# Altium PCB HallFM2_1.PcbDoc (part 2 of 3)
Units mm, origin at the board's own origin, x right, y up, seen from the top; angles counter-clockwise.
Board outline 114 x 97 mm, 4 copper layers (Top Layer, Signal Layer 1, Signal Layer 2, Bottom Layer), stack 0.971 mm thick; 267 components, 203 nets, 952 pads, 270 vias.
Unrouted connection lines stored in the file: 252.
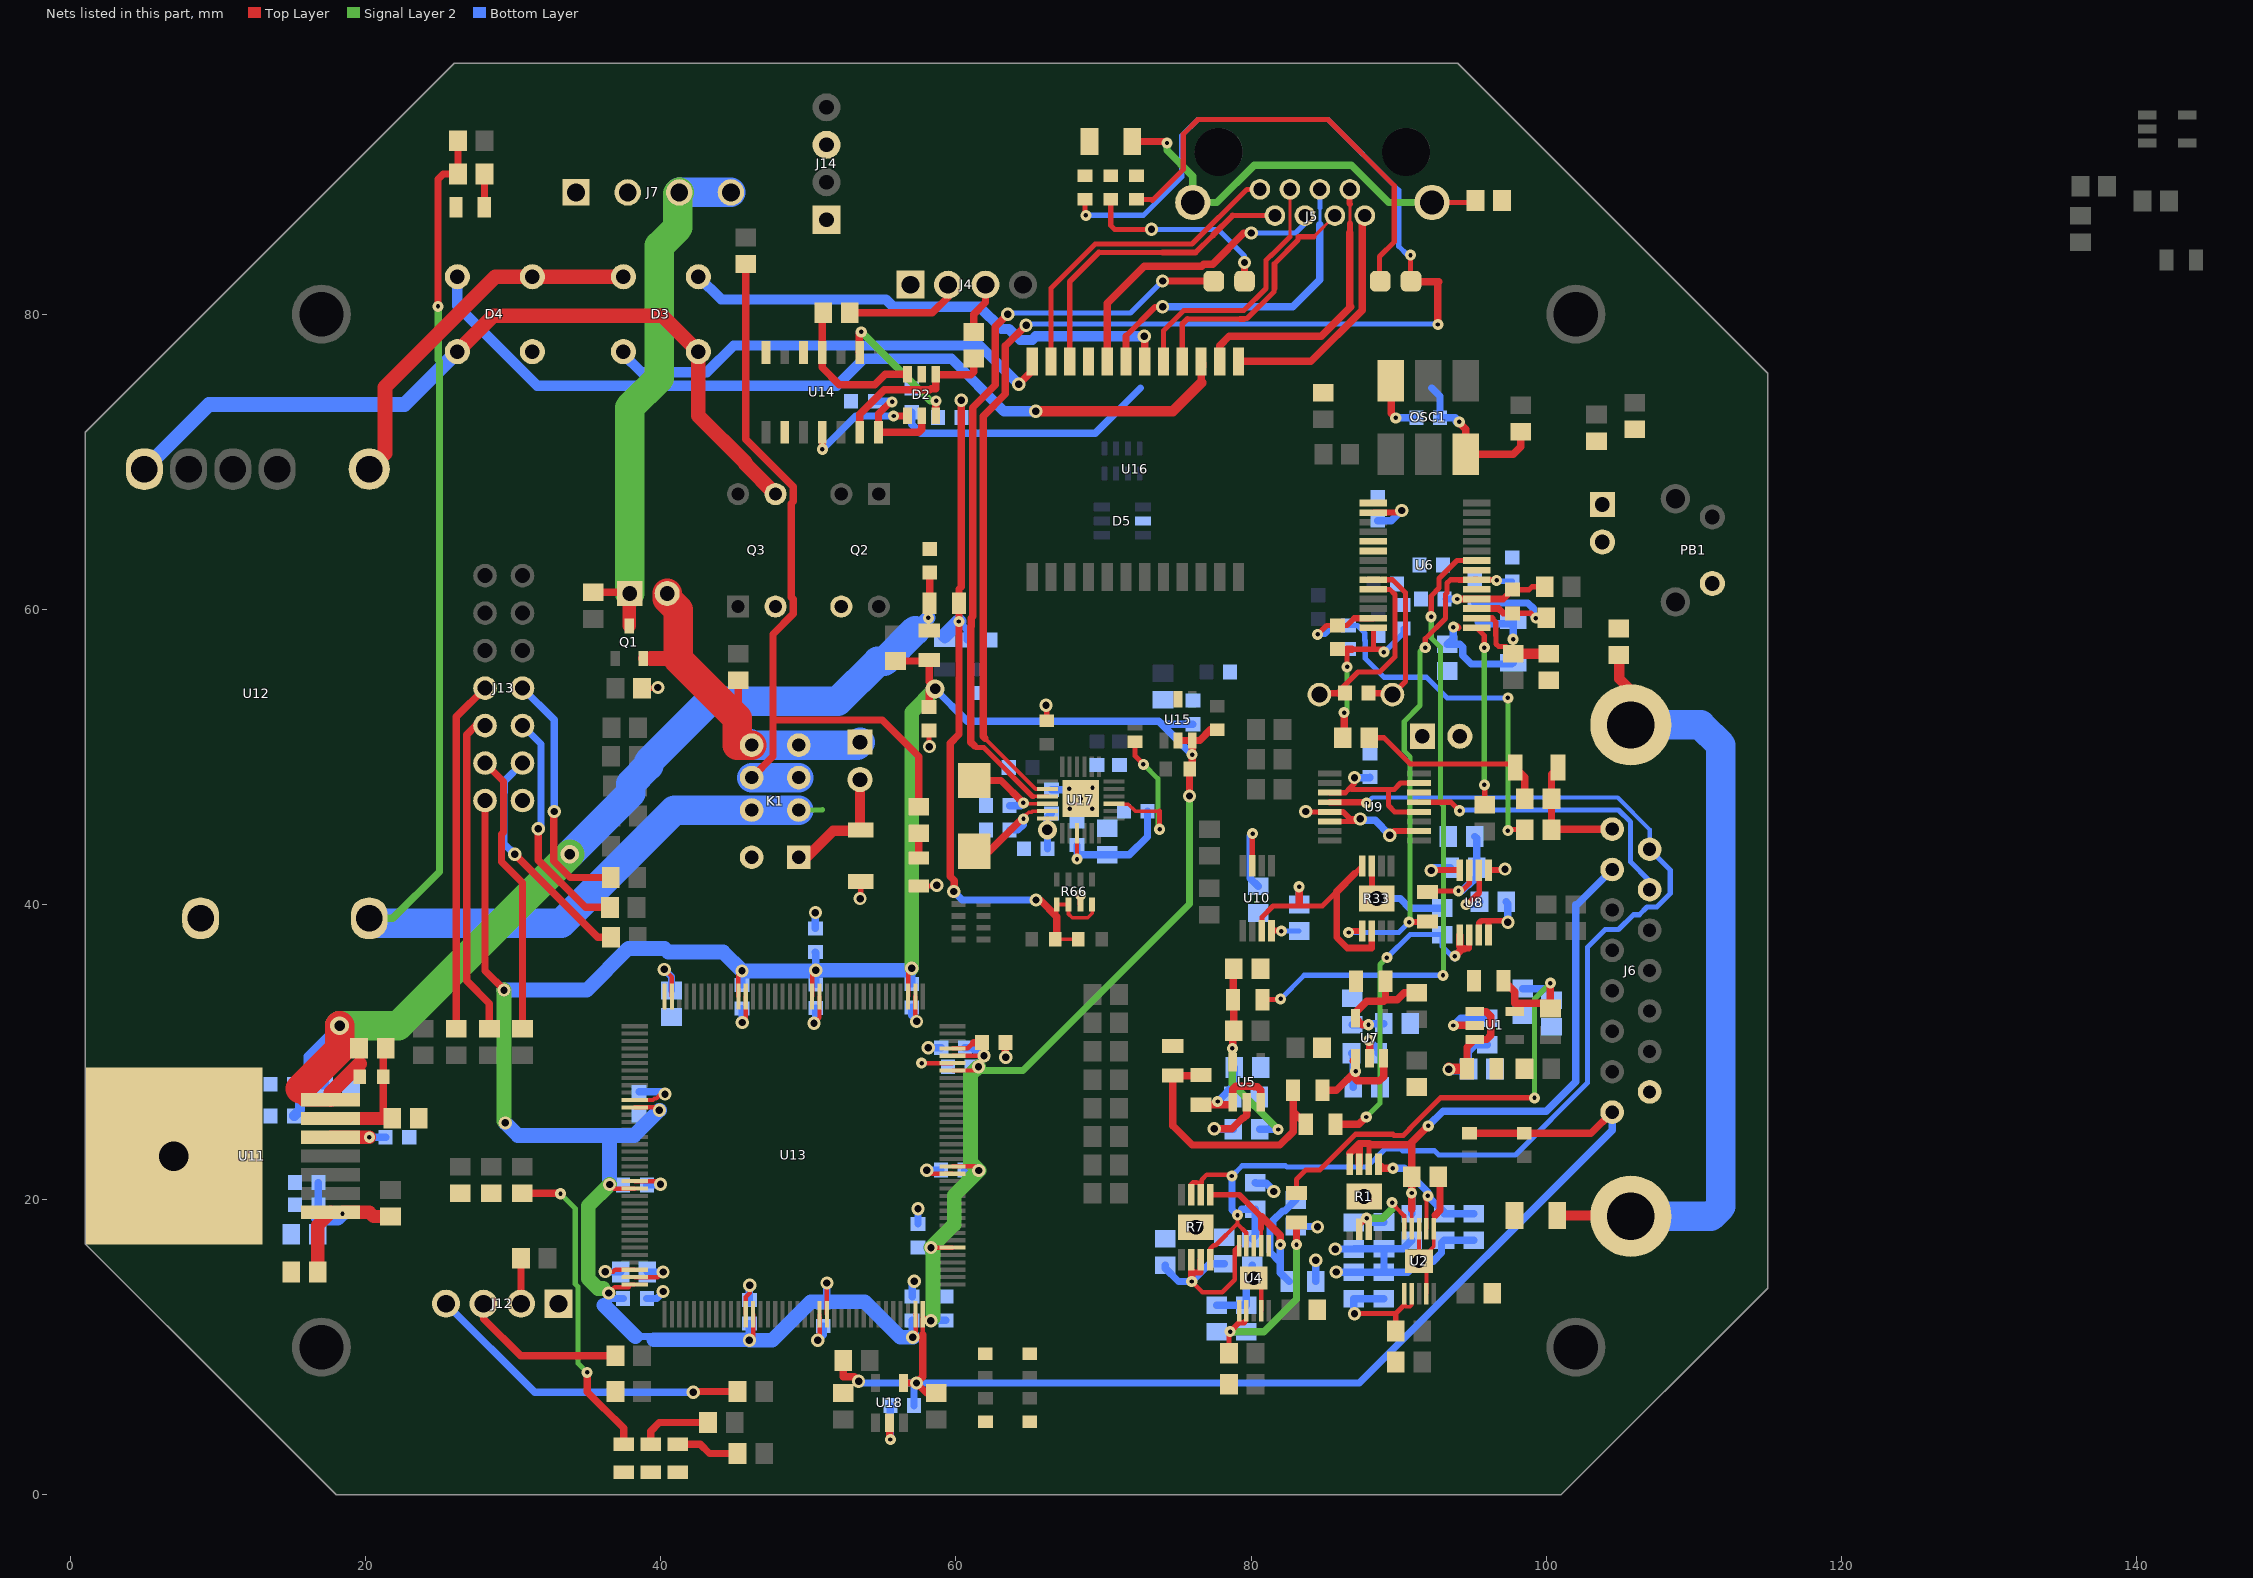
[diagram p3: the nets of this part, all layers, seen from the top]

## Via types
v1: diameter 0.75, hole 0.3, Top Layer to Bottom Layer, 182 vias
v2: diameter 0.9, hole 0.5, Top Layer to Bottom Layer, 84 vias
v3: diameter 1.27, hole 0.711, Top Layer to Bottom Layer, 4 vias

## Nets (pads, with @x,y where several pads share a name; then routed paths per layer and width w, separated by ;. In a path a pad name is that pad's centre, name@x,y a point inside that pad or via, vN(x,y) a via of type N, cw(c..) or ccw(c..) an arc to the next point about the centre after c; other vN are vias at no path point) (continued)
2+: C38.2 C49.2 R25.2 U6.18 | length 7
  Top Layer w0.35: C38.2@97.705,61.33 98.83,61.33 99.03,61.53 R25.2@99.905,61.53
  Top Layer w0.45: v1(93.954,60.703) 94.047,60.703 94.05,60.7 94.055,60.705 U6.18@95.28,60.705 97.08,60.705 C38.2@97.705,61.33
  Bottom Layer w0.5: C49.2@93.225,60.7 93.951,60.7 v1(93.954,60.703)
2-: C38.1 C50.2 R28.2 U6.17 | length 9.1
  Top Layer w0.35: C38.1@97.705,59.73 98.97,59.73 v1(99.3,59.4)
  Top Layer w0.45: U6.17@95.28,60.055 96.77,60.055 97.095,59.73 C38.1@97.705,59.73
  Bottom Layer w0.5: C50.2@95.155,60.43 98.741,60.43 99.105,60.066 99.105,59.595 v1(99.3,59.4)
2V5ref: C31.2 L11.2 R33.1 U6.20 | length 35.6
  Top Layer w0.35: v1(91.8,57.4) 91.8,58.004 93.179,59.383 93.179,61.024 93.278,61.122 93.278,61.778 93.5,62 94.1,62
  Top Layer w0.4: v1(86.6,38.1) 86.6,38.2 86.605,38.205 R33.1@87.53,38.205 ; v1(90.7,38.8) 91.8,38.8 L11.2@91.85,38.85 ; 94.1,62 95.07,62 95.1,62.03 95.255,62.03 U6.20@95.28,62.005 96.593,62.005 v1(96.63,61.968)
  Signal Layer 2 w0.35: v1(90.7,38.8) 90.775,38.875 90.775,49.995 90.375,50.395 90.375,50.748 90.369,50.754 90.369,52.4 91.45,53.48 91.45,57.15 91.7,57.4 v1(91.8,57.4)
  Bottom Layer w0.35: v1(86.6,38.1) 90,38.1 v1(90.7,38.8) ; v1(96.63,61.968) 96.698,61.9 C31.2@97.7,61.9
3+: C40.2 C51.2 R29.2 U6.13 | length 30.6
  Top Layer w0.35: v1(84.5,58.3) 85.1,58.9 C40.2@85.85,58.9 86.5,58.9 87.005,59.405 ; v1(97.4,45) 97.475,45.075 R29.2@98.55,45.075
  Top Layer w0.45: 87.005,59.405 U6.13@88.28,59.405
  Signal Layer 2 w0.35: v1(97.4,45) v1(97.4,54)
  Bottom Layer w0.355: v1(84.5,58.3) 85.009,58.3 85.433,58.724 85.433,58.733 85.6,58.9 C51.2@86.6,58.9 87.2,58.9 87.7,58.4 87.7,57.9 87.728,57.872 87.728,56.672 88.997,55.403 91.889,55.403 93.291,54 v1(97.4,54)
3-: C40.1 C52.2 R30.2 U6.14 | length 12.5
  Top Layer w0.35: v1(86.5,56.1) 86.5,57.3 ; 86.825,57.3 88.3,57.3 ; U6.14@88.25,58.725 88.25,58.755 U6.14@88.28,58.755 88.28,57.32 88.3,57.3 ; v1(89,57.1) 89,57.3 88.3,57.3
  Top Layer w0.5: R30.2@86.2,51.3 86.3,51.4 v1(86.3,53) ; 86.5,57.3 86.825,57.3
  Signal Layer 2 w0.35: v1(86.3,53) 86.5,53.2 v1(86.5,56.1)
  Bottom Layer w0.35: v1(89,57.1) 89.03,57.1 90.3,58.37 C52.2@90.3,58.7
"3V3 Ethernet": C74.2 C76.2 L13.2 L14.2 R64.1 R65.1 R66.5 R66.6 R66.8 | length 54
  Top Layer w0.25: R64.1@66.725,37.65 R65.1@68.275,37.65 ; 66.825,39.175 R66.5@66.825,40 R66.6@67.625,40 67.625,39.35 67.875,39.1 68.925,39.1 69.225,39.4 R66.8@69.225,40
  Top Layer w0.5: v2(59.852,40.877) 59.852,40.698 59.875,40.675 59.875,41.625 59.6,41.9 59.6,50.925 60.2,51.525 v1(60.2,59.175) L13.2@60.2,60.425 60.2,61.375 60.35,61.525 v2(60.35,74.175) ; v2(65.425,40.3) 65.7,40.3 66.825,39.175 66.825,37.75 R64.1@66.725,37.65
  Bottom Layer w0.5: L14.2@59.25,57.925 L14.2@59.25,58.225 ; v2(59.852,40.877) 60.429,40.3 v2(65.425,40.3) ; v1(60.2,59.175) 60.75,58.625 C76.2@60.75,57.925 ; v2(60.35,74.175) 60.4,74.125 60.4,73.975 60.37,73.945 C74.2@60.37,73.005
  Bottom Layer w1: L14.2@59.25,58.225 v1(60.2,59.175)
3V3D_ADC: C26.1 L8.2 U6.1
3V3uC: C67.2 C68.2 C69.2 C72.2 C73.2 C89.2 C90.2 C91.2 C92.2 C93.2 C94.2 C95.2 C96.2 C97.2 C98.2 C99.2 C100.2 C101.2 C102.2 C103.2 C104.2 C105.1 D2.5 J6.8 J13.2 L12.2 OSC1.6 R11.2 R51.2 R56.1 R59.1 R60.1 R61.1 R62.1 R70.2 R71.2 R73.2 R98.2 R99.2 U13.6 U13.17 U13.30 U13.32 U13.33 U13.39 U13.52 U13.62 U13.72 U13.84 U13.95 U13.108 U13.121 U13.131 U13.143 U13.144 U14.14 U15.5 U15.6 U18.4 | length 355.6
  Top Layer w0.3: v2(36.475,13.675) 36.875,14.075 37.825,14.075 37.875,14.125 37.875,14.25 U13.108@38.23,14.25 ; v2(36.525,21.025) 36.8,20.75 U13.95@38.23,20.75 ; U13.84@38.23,26.25 39.703,26.25 v2(39.902,26.051) ; U13.62@45.25,33.77 45.25,35.25 v2(45.5,35.5) ; v2(46,10.475) 46.25,10.725 U13.121@46.25,12.23 ; U13.52@50.25,33.77 50.25,35.3 v2(50.5,35.55) ; U13.131@51.25,12.23 51.253,12.233 v2(51.253,14.351) ; U13.39@56.75,33.77 56.75,35.425 v2(57,35.675) ; v2(57.078,10.676) 57.275,10.873 57.275,12.205 U13.143@57.25,12.23 ; 57.75,10.85 57.75,11.975 58.125,11.975 v2(58.3,11.8) ; v2(58.303,16.751) U13.6@59.77,16.75 ; U13.17@59.77,22.25 61.275,22.25 v2(61.55,21.975) ; U13.30@59.77,28.75 61.275,28.75 v2(61.525,29) ; U13.32@59.77,29.75 v2(61.9,29.75) 61.9,30.45 C93.2@61.725,30.625 ; U13.33@59.77,30.25 60.793,30.25 61.168,30.625 61.2,30.625
  Top Layer w0.5: J13.2@28.085,47.045 28.085,35.515 29.45,34.15 29.425,34.15 v2(29.375,34.2) ; R11.2@52.355,9.1 52.355,8 53.1,8 v2(53.4,7.7) ; v1(55.676,74.053) 55.56,74.053 54.75,73.243 U14.14@54.75,72 57.475,72 57.675,72.2 D2.5@57.675,73.125 ; R51.2@55.9,56.5 L12.2@58.15,56.5 ; U18.4@56.45,7.575 v2(57.325,7.575) ; 57.75,10.85 57.75,8 v2(57.325,7.575) ; C72.2@58.175,53.375 v3@58.175,54.602 ; 58.175,55.1 58.175,56.475 L12.2@58.15,56.5 ; L12.2@58.175,56.575 58.125,56.525 L12.2@58.15,56.5 ; R70.2@58.655,6.9 58,6.9 v2(57.325,7.575) ; 61.2,30.625 C93.2@61.725,30.625 ; U15.5@75.055,51.113 U15.6@76.005,51.113 ; v2(75.825,47.35) R62.1@75.825,49.175 76.005,49.355 v1(76.005,50.15) U15.6@76.005,51.113 ; R61.1@77.705,51.838 77.238,51.838 76.513,51.113 U15.6@76.005,51.113 ; v1(94.1,72.7) 94.1,72.65 94.54,72.21 OSC1.6@94.54,70.5 97.75,70.5 98.275,71.025 R56.1@98.275,72.025 ; R60.1@94.8,24.5 R59.1@98.5,24.5 99.4,24.5 103.03,24.5 J6.8@104.46,25.93
  Signal Layer 2 w0.5: v2@29.375,25.325 29.475,25.225 v2(29.45,25.2) ; v2(58.3,11.8) v2@58.45,11.95 ; v2@61.55,28.975 61.775,28.75 64.543,28.75 75.825,40.032 v2(75.825,47.35)
  Signal Layer 2 w1: v2@29.375,25.325 v2(29.375,34.2) ; 36.102,13.975 35.749,13.975 35.075,14.649 35.075,19.575 v2(36.525,21.025) ; v2(57,35.675) 57,53.025 v3(58.577,54.602) ; v2@58.45,11.95 58.45,16.604 v2(58.303,16.751) 59.875,18.323 59.875,20.3 v2(61.55,21.975) 60.975,22.55 60.975,28.45 v2(61.525,29)
  Bottom Layer w0.5: 36.15,12.85 36.6,13.3 C91.2@37.45,13.3 ; 38.275,10.725 39.3,10.725 39.525,10.5 ; 40.248,37.025 40.498,36.775 ; C96.2@45.5,34.55 v2(45.5,35.5) ; v2(46,10.475) 45.975,10.5 46,10.525 C92.2@46,11.6 ; v2@50.45,35.5 v2(50.5,35.55) ; C89.2@50.475,36.775 50.5,36.75 v2(50.5,35.55) ; C97.2@50.5,34.575 v2(50.5,35.55) ; C99.2@51,13.025 51.052,13.077 51.253,13.278 v2(51.253,14.351) ; v2(53.4,7.7) 53.5,7.7 53.625,7.575 v2(57.325,7.575) ; C67.2@54.495,74.105 55.624,74.105 v1(55.676,74.053) ; v2@56.875,35.55 v2(57,35.675) C98.2@57,34.625 ; C68.2@56.995,73.355 56.995,72.53 57.6,71.925 69.425,71.925 72.5,75 ; C100.2@57.025,11.825 57.025,10.728 v2(57.078,10.676) ; C105.1@57.155,6.045 57.155,7.405 v2(57.325,7.575) ; v2(58.3,11.8) 58.375,11.8 58.4,11.825 C101.2@59.325,11.825 ; v3(58.577,54.602) 60.755,52.425 73.73,52.425 73.942,52.213 ; C95.2@60.575,22 61.525,22 v2(61.55,21.975) ; C102.2@60.6,30.3 61.1,30.3 61.65,29.75 v2(61.9,29.75) ; v1@76,50.155 73.942,52.213 ; C73.2@76.055,52.213 73.942,52.213 ; 92.25,75 92.8,74.45 C69.2@92.8,72.975 93.825,72.975 v1(94.1,72.7) v1@93.9,72.7 ; J6.8@104.46,25.93 104.46,24.699 87.336,7.575 v2(57.325,7.575)
  Bottom Layer w1: v2(29.375,34.2) 34.975,34.2 37.8,37.025 40.248,37.025 ; v2(29.45,25.2) 30.3,24.35 36.525,24.35 v2(36.525,21.025) ; 36.15,12.85 38.275,10.725 ; 36.675,24.35 38.201,24.35 v2(39.902,26.051) ; 39.525,10.5 v2@45.975,10.5 ; 40.498,36.775 44.225,36.775 v2(45.5,35.5) v2@50.45,35.5 ; v2(46,10.475) 47.55,10.475 50.152,13.077 51.052,13.077 53.823,13.077 56.224,10.676 v2(57.078,10.676) ; v2(50.5,35.55) v2@56.875,35.55
4+: C45.2 C53.2 R32.2 U6.16 | length 10.6
  Top Layer w0.35: 96.317,59.405 96.317,59.355 96.36,59.355 96.58,59.135 96.58,58.22 96.6,58.2 96.6,57.65 96.775,57.475 97.275,57.475 R32.2@97.75,57
  Top Layer w0.45: U6.16@95.28,59.405 96.317,59.405
  Top Layer w0.7: R32.2@97.75,57 C53.2@100.175,57
  Bottom Layer w0.5: 95.38,59.105 95.46,59.025 97.5,59.025 C45.2@97.755,59.28 97.755,57.977 v1(97.75,57.972)
4-: C45.1 C54.2 R35.2 U6.15 | length 19.3
  Top Layer w0.35: U6.15@95.28,58.755 95.8,58.235 v1(95.8,57.4) ; v1(95.8,48.1) 95.825,48.075 R35.2@95.825,46.75
  Top Layer w0.45: v1(93.7,58.8) 94,58.8 v1@94.045,58.755
  Signal Layer 2 w0.35: v1(95.8,48.1) v1(95.8,57.4)
  Bottom Layer w0.5: v1(93.7,58.8) 93.7,58.025 C54.2@93.3,57.625 94.15,57.625 94.35,57.425 94.35,56.875 94.925,56.3 97.675,56.3 C45.1@97.755,56.38
5VA_ADC: C25.1 C55.2 L6.2 U6.22 U9.14 | length 43.4
  Top Layer w0.35: L6.2@80.78,33.552 81.952,33.552 v1(82,33.6) ; v1(92.2,59.5) 92.2,60.913 92.728,61.441 92.728,62.085 93.947,63.305 U6.22@95.28,63.305
  Signal Layer 2 w0.35: v1(92.2,59.5) 92.2,58.061 92.825,57.436 92.825,46.888 93.025,46.688 93.025,35.225 v1(93,35.2)
  Bottom Layer w0.35: v1(82,33.6) 83.6,35.2 v1(93,35.2)
+12V: C58.2 C59.2 C62.2 C63.2 K1.3 K1.6 L1.1 L5.1 L7.1 L9.2 L10.1 R43.1 R44.1 R78.1 R79.1 U11.1 | length 85.3
  Top Layer w0.5: R78.1@45.75,83.4 45.75,71.527 48.97,68.307 48.97,67.313 48.829,67.171 48.829,60.829 48.97,60.687 48.97,59.693 47.6,58.323 47.6,52.5 ; K1.6@46.15,48.6 47.6,50.05 47.6,52.5 ; R79.1@57.475,46.625 57.475,50.025 55,52.5 47.6,52.5 ; L5.1@76.605,28.43 76.575,28.4 L9.2@74.7,28.4 74.7,25 76,23.7 81.942,23.7 82.85,24.608 82.85,25.95 ; L7.1@82.85,27.4 82.85,25.95 ; L10.1@83.7,25.1 82.85,25.95
  Top Layer w0.9: C63.2@16.75,15.1 16.75,18.265 U11.1@17.63,19.145 ; U11.1@18.425,19.145 20.255,19.145 20.55,18.85 R43.1@21.675,18.85
  Bottom Layer w0.5: 16.795,18.75 C59.2@16.795,19.655 C58.2@16.795,21.155
  Bottom Layer w1: 16.795,18.75 18.1,18.75 18.425,19.075 v1(18.425,19.05)
  Bottom Layer w2: K1.6@46.15,48.6 K1.3@49.35,48.6
+12V_MW: J8.1 J9.2 K1.4 K1.5 Q1.2 R50.2 | length 28
  Top Layer w0.5: R50.2@45.25,55.2 45.25,51.7 K1.5@46.15,50.8
  Top Layer w0.7: Q1.2@38.8,56.675 39.325,56.675
  Top Layer w1: 39.325,56.675 41.125,56.675 41.175,56.625
  Top Layer w2: J9.2@40.43,61.08 40.43,60.725 41.175,59.98 41.175,56.625 45.175,52.625 45.175,50.8 K1.5@46.15,50.8
  Bottom Layer w2: K1.5@46.05,50.9 K1.5@46.15,50.8 K1.4@49.35,50.8 53.3,50.8 J8.1@53.5,51
+12V_POE: K1.2 K1.7 R80.1 R96.1 U12.7 | length 90.8
  Top Layer w0.5: v1(24.9,80.525) 24.9,89.15 25.25,89.5 R96.1@26.25,89.5 R80.1@26.25,91.75
  Signal Layer 2 w0.35: K1.2@49.35,46.4 50.925,46.4 50.95,46.425
  Signal Layer 2 w0.5: U12.7@20.24,39.06 21.835,39.06 25,42.225 25,76.832 24.91,76.922 24.91,80.515 v1(24.9,80.525)
  Bottom Layer w2: U12.7@20.24,39.06 20.575,38.725 33.25,38.725 40.925,46.4 K1.7@46.15,46.4 K1.2@49.35,46.4
GND: C1.2 C2.2 C3.1 C4.1 C5.1 C6.1 C7.1 C8.1 C9.1 C10.1 C11.1 C12.1 C13.2 C14.2 C15.1 C18.1 C19.1 C20.1 C21.1 C22.1 C23.1 C24.1 C25.2 C26.2 C27.1 C28.1 C29.1 C30.1 C31.1 C32.1 C33.1 C34.1 C35.1 C39.1 C41.1 C42.1 C43.1 C44.1 C46.1 C47.1 C48.1 C49.1 C50.1 C51.1 C52.1 C53.1 C54.1 C55.1 C56.1 C57.1 C58.1 C59.1 C60.1 C61.1 C62.1 C63.1 C65.1 C66.1 C67.1 C68.1 C69.1 C71.2 C72.1 C73.1 C74.1 C75.1 C76.1 C77.1 C78.1 C79.1 C80.1 C81.1 C82.1 C83.1 C84.1 C85.1 C86.1 C87.2 C88.2 C89.1 C90.1 C91.1 C92.1 C93.1 C94.1 C95.1 C96.1 C97.1 C98.1 C99.1 C100.1 C101.1 C102.1 C103.1 C104.1 C105.2 D1.2 D2.2 D5.2 D6.1 D7.1 D8.1 D9.1 D10.1 J1.2 J4.1 J6.15 J7.1 J7.2 J11.2 J12.1 J13.1 J14.1 J14.3 K1.8 OSC1.3 PB1.2 Q2.3 Q3.2 R1.9 R4.1 R5.1 R7.9 R10.1 R14.1 R21.2 R22.1 R33.7 R33.9 R34.1 R39.2 R40.1 R41.1 R42.1 R46.2 R47.2 R49.2 R66.7 R68.1 R69.2 R72.1 R77.2 R97.2 U1.2 U2.4 U2.6 U2.8 U2.11 U4.4 U4.6 U4.8 U4.11 U5.2 U6.2 U6.5 U6.6 U6.19 U6.21 U7.2 U8.3 U8.4 U8.5 U8.8 U9.3 U9.5 U9.6 U9.10 U9.12 U9.15 U10.4 U11.8 U12.6 U13.16 U13.31 U13.38 U13.51 U13.61 U13.83 U13.94 U13.107 U13.120 U13.130 U14.5 U14.7 U14.9 U15.2 U17.25 U18.2 | length 148.1
  Top Layer w0.25: U2.8@91.38,18.03 U2.11@91.38,15.83 ; U2.4@91.88,13.63 91.88,15.33 U2.11@91.38,15.83 ; 92.475,18.95 92.38,18.855 U2.6@92.38,18.03 92.38,16.83 U2.11@91.38,15.83 ; 92.8,19.275 92.8,19.375
  Top Layer w0.3: U13.107@38.23,14.75 39.8,14.75 v2(40.15,15.1) ; U13.94@38.23,21.25 39.775,21.25 v2(39.975,21.05) ; U13.83@38.23,26.75 39.469,26.75 39.571,26.851 39.701,26.851 40.001,27.151 v2(40.277,27.151) ; v2(45.525,32) 45.75,32.225 U13.61@45.75,33.77 ; U13.120@45.75,12.23 45.75,13.4 46.025,13.675 v2(46.025,14.2) ; v2(50.377,31.952) 50.75,32.324 U13.51@50.75,33.77 ; v2(50.625,10.475) 50.76,10.61 50.76,12.013 50.75,12.023 U13.130@50.75,12.23 ; U13.38@57.25,33.77 57.25,32.154 v2(57.328,32.077) ; v1(57.675,29.25) U13.31@59.77,29.25 ; v2(58.025,22) 58.275,21.75 U13.16@59.77,21.75 ; U4.11@80.18,14.68 80.68,14.18 U4.4@80.68,12.48
  Top Layer w0.35: R49.2@38.725,54.65 39.75,54.65 39.8,54.6 v2(39.8,54.7) ; v2(53.5,40.4) 53.6,40.5 53.55,40.55 D1.2@53.55,41.55 ; D6.1@57.475,41.25 58.65,41.25 v2(58.7,41.3) ; C72.1@58.175,51.775 58.175,50.725 v2(58.2,50.7) ; v2(66.1,53.5) 66.1,53.3 66.15,53.25 R68.1@66.15,52.45 ; R66.7@68.425,40 68.425,40.65 v1(68.45,40.65) ; v2(83.7,46.3) 83.725,46.275 U9.5@85.325,46.275 ; U9.6@85.325,45.625 87.225,45.625 v2(87.4,45.8) ; U9.3@85.325,47.575 86.375,47.575 86.7,47.9 ; v2(87,48.6) 87,48.2 86.7,47.9 ; U9.12@91.375,46.275 89.725,46.275 89.3,46.7 89.3,47.8 ; U9.15@91.375,48.225 90.125,48.225 89.7,47.8 89.3,47.8 ; 86.7,47.9 86.8,47.8 89.3,47.8
  Top Layer w0.4: U10.4@81.38,38.23 82.02,38.23 v1(82.05,38.2) ; U9.5@85.325,46.275 86.225,46.275 86.7,45.8 v2(87.4,45.8) ; R33.7@88.18,42.605 88.18,40.73 R33.9@88.505,40.405 ; U6.2@88.28,66.555 90.055,66.555 v2(90.2,66.7) ; v2(89.4,44.7) 89.675,44.975 U9.10@91.375,44.975 ; v2(92.2,42.3) 92.4,42.3 92.43,42.33 U8.8@94.13,42.33 ; U8.3@95.43,37.93 95.43,38.73 95.6,38.9 96.1,38.9 ; U8.4@96.08,37.93 96.08,38.88 96.1,38.9 ; U8.5@96.08,42.33 97.13,42.33 v2(97.2,42.4) ; v2(97.4,38.8) 97.3,38.9 96.1,38.9
  Top Layer w0.5: U18.2@55.5,4.875 55.5,3.8 v1(55.555,3.745) ; C93.1@63.35,30.65 63.35,29.675 v2(63.375,29.65) ; v2(77.5,24.8) 78.7,24.8 79.43,25.53 79.505,25.53 79.705,25.73 U5.2@79.705,26.605 ; U7.2@87.98,29.63 U7.2@88.03,29.58 88.03,30.75 v1(87.98,30.8) ; OSC1.3@89.46,75.5 89.5,75.46 89.5,73.275 v1(89.8,72.975) ; 92.475,18.95 92.8,19.275 ; C8.1@92.475,21.55 92.8,21.225 92.8,19.375 ; v1(93.7,31.8) 93.705,31.805 U1.2@95.155,31.805
  Bottom Layer w0.35: v1(82.05,38.2) C46.1@83.25,38.2
  Bottom Layer w0.5: C94.1@38.525,27.3 40.128,27.3 v2(40.277,27.151) ; C91.1@39.05,13.3 39.725,13.3 40.152,13.727 v2(40.152,13.776) ; C90.1@39.05,21 40,21 39.975,21.025 v2(39.975,21.05) ; C19.1@39.075,15.1 v2(40.15,15.1) ; C96.1@45.5,32.95 45.5,32.025 v2(45.525,32) ; C92.1@46,13.025 v2@46,13.975 ; v2(50.377,31.952) 50.5,32.074 C97.1@50.5,32.975 ; C89.1@50.475,38.375 50.475,39.25 50.45,39.275 50.45,39.425 v2(50.475,39.45) ; v2(50.625,10.475) 51,10.85 C99.1@51,11.425 ; v1(55.555,3.745) C105.2@55.555,6.045 ; C98.1@57,33.025 57,32.475 57.328,32.147 v2(57.328,32.077) ; C100.1@57.025,13.425 57.025,14.35 57.15,14.475 v2(57.175,14.475) ; C103.1@57.425,18.35 v2(57.425,19.375) ; v2(58.025,22) C95.1@58.975,22 ; v2(58.125,30.3) C102.1@59,30.3 ; C81.1@66.475,47.775 67.6,47.775 v1(67.675,47.85) ; v1@69.055,46.475 v1(69.225,46.475) ; v2(77.5,24.8) 77.52,24.78 C29.1@78.78,24.78 ; C22.1@77.675,12.85 C21.1@79.675,12.85 79.675,14.175 U4.11@80.18,14.68 80.075,14.785 C20.1@80.075,15.55 ; C15.1@80.275,21.15 80.325,21.15 80.375,21.1 81.025,21.1 81.525,20.6 v2(81.525,20.55) ; C24.1@83.03,18.18 84.395,18.18 84.425,18.15 v2(84.5,18.15) ; C23.1@84.375,14.45 v2(84.375,15.9) ; v2(85.7,16.65) 85.705,16.655 C2.2@86.955,16.655 86.98,16.68 C1.2@89.005,16.68 ; v2(85.775,15.1) 85.795,15.08 C10.1@86.955,15.08 C9.1@88.98,15.08 ; v2(87,48.6) 88.025,48.6 C55.1@88.05,48.625 ; v2(87.4,45.8) 87.3,45.7 88.4,45.7 v2(89.4,44.7) ; v1(87.98,30.8) 88.605,30.175 C33.1@88.605,29.93 ; R33.9@88.505,40.405 90.095,40.405 90.745,39.755 C44.1@92.955,39.755 ; C26.2@88.58,66.005 89.505,66.005 v2(90.2,66.7) ; v1(89.8,72.975) C69.1@91.2,72.975 ; C3.1@90.875,17.25 90.305,16.68 C1.2@89.005,16.68 ; v2(92.2,42.3) 92.38,42.48 C41.1@93.48,42.48 ; v1(93.7,31.8) 94.2,32.3 C4.1@96,32.3 ; C11.1@95.075,17.25 C12.1@93.075,17.25 92.9,17.075 92.9,16.4 92.33,15.83 U2.11@91.38,15.83 90.63,15.08 C9.1@88.98,15.08 ; C43.1@97.278,40.182 97.4,40.06 v2(97.4,38.8) ; C9.1@88.98,15.08 89.005,15.105 C1.2@89.005,16.68
  other v1: 67.7,46.475 68.45,47.175 69.25,47.9
Hal_current_2mA: C3.2 C8.2 J6.2 R1.2 R1.3 R1.4 U2.9 | length 42.8
  Top Layer w0.25: 90.875,19.35 90.875,18.035 U2.9@90.88,18.03
  Top Layer w0.35: R1.2@87.98,22.405 87.98,23.78 88,23.8
  Top Layer w0.5: 86.68,23.145 87.33,23.795 ; R1.3@87.33,22.405 87.33,23.795 ; 87.98,23.78 88.035,23.725 90.725,23.725 90.78,23.78 v1(92,25) ; 88,23.8 87.335,23.8 87.33,23.795 ; 90.875,19.35 v1(90.875,20.45) C8.2@90.875,21.55 90.875,23.8
  Bottom Layer w0.5: C3.2@90.875,19.05 v1(90.875,20.45) ; v1(92,25) 93,26 100,26 102,28 102,40 102.09,40 J6.2@104.46,42.37
iT+: C15.2 C20.2 J6.9 R7.2 R7.3 R7.8 U4.9 U9.4 | length 86.7
  Top Layer w0.3: 76.275,21.15 76.645,21.15 76.655,21.16 76.655,21.355 77,21.7 78.6,21.7 v1(78.7,21.6) ; R7.8@77.23,15.93 77.23,16.675 77.46,16.905 77.6,16.905 79.075,18.38 ; v1(79.075,18.95) 79.075,18.38 ; U4.9@79.68,16.88 79.68,17.752 79.677,17.752 79.075,18.355 79.075,18.38
  Top Layer w0.35: R7.3@75.93,20.33 75.93,21.005 76.075,21.15 76.275,21.15 ; v1(87.825,46.875) v1@87.825,46.925
  Top Layer w0.45: U9.4@85.325,46.925 v1@87.825,46.925
  Bottom Layer w0.3: v1@88.025,47.075 v1(87.825,46.875) 88.2,47.25 104.834,47.25 107,45.084 J6.9@107,43.74
  Bottom Layer w0.35: v1(78.7,21.6) 79.401,22.301 82.338,22.301 82.439,22.2 87.84,22.2 89.066,23.426 90.143,23.426 90.261,23.308 92.431,23.308 92.714,23.025 97.909,23.025 102.8,27.916 102.8,37.1 104,38.3 104.9,38.3 105.9,39.3 106.3,39.3 106.825,39.825 107.487,39.825 108.4,40.738 108.4,42.34 J6.9@107,43.74
  Bottom Layer w0.5: v1(78.7,21.6) 78.7,19.325 v1(79.075,18.95) ; 79.375,19.35 C15.2@80.275,19.35 80.275,17.55 C20.2@80.075,17.35
iT-: J6.10 J11.1 U9.13 | length 20.4
  Top Layer w0.35: U9.13@91.375,46.925 93.55,46.925 v1(94.125,46.35)
  Signal Layer 2 w0.25: J6.10@106.725,40.725 J6.10@107,41
  Bottom Layer w0.35: v1(94.125,46.35) 94.175,46.4 104.9,46.4 105.7,45.6 105.7,42.9 107,41.6 J6.10@107,41
MX1_N: J5.2 U16.22 | length 21.2
  Top Layer w0.35: 69.675,84.175 74,84.175 ; 76.238,84.175 77.407,85.343 ; 78.745,86.682 J5.2@81.61,86.682
  Top Layer w0.4: U16.22@67.71,76.805 67.71,82.21 69.675,84.175 ; 74,84.175 76.238,84.175 ; 77.407,85.343 78.745,86.682
MX1_P: J5.1 U16.23 | length 22
  Top Layer w0.35: U16.23@66.44,76.805 66.44,81.753 69.437,84.75 76,84.75 79.71,88.46 J5.1@80.594,88.46 J5.1@80.535,88.401
MX3_N: J5.6 U16.16 | length 17.3
  Top Layer w0.2: 84.242,85.25 J5.6@85.674,86.682
  Top Layer w0.35: 75.675,79.675 79.25,79.675 ; 79.5,79.675 79.525,79.7 79.728,79.7 81.55,81.522 81.55,81.725 81.575,81.75 ; 81.575,83.421 83.176,85.022 83.176,85.225 83.201,85.25
  Top Layer w0.4: U16.16@75.33,76.805 75.33,79.33 75.675,79.675 ; 79.25,79.675 79.5,79.675 ; 81.575,81.75 81.575,83.421 ; 83.201,85.25 84.242,85.25 ; J5.6@85.674,86.682 J5.6@85.775,86.581
MX3_P: J5.3 U16.17 | length 17.6
  Top Layer w0.2: 82.626,85.25 J5.3@82.626,88.46
  Top Layer w0.35: U16.17@74.06,76.805 74.06,78.873 75.437,80.25 79.5,80.25 81,81.75 81,83.659 81.337,83.996 81.372,83.996 82.626,85.25
NetC1_1: C1.1 C2.1 R1.6 R1.7 U2.10 | length 7.1
  Top Layer w0.3: v1(89.55,19.8) 89.775,19.575 89.775,19.5 90.38,18.895 U2.10@90.38,18.03
  Top Layer w0.35: R1.6@87.33,18.005 87.33,18.252 v1(87.829,18.751) v1@87.953,18.875
  Signal Layer 2 w0.5: v1(87.829,18.751) 88.912,18.751 89.55,19.389 v1(89.55,19.8)
  Bottom Layer w0.5: v1(87.829,18.751) v1@87.974,18.751 ; v1@87.975,18.75 87.975,18.455 88.98,18.455 C1.1@89.005,18.48
NetC4_2: C4.2 C5.2 L1.2 U1.1 U1.3 | length 11.3
  Top Layer w0.5: L1.2@94.63,28.88 94.63,30.33 U1.3@95.155,30.855 95.955,30.855 96.23,31.13 96.23,32.435 95.94,32.725 95.185,32.725 U1.1@95.155,32.755
  Top Layer w0.7: v2(93.4,28.825) v2@93.4,28.88 ; L1.2@94.63,28.88 v2@93.4,28.88 ; v2@93.4,28.88 93.345,28.88 93.4,28.935 v2@93.4,28.88
  Bottom Layer w0.5: C5.2@94.7,28.825 C5.2@94.73,28.855 94.73,30.03 95.2,30.5 C4.2@96,30.5
  Bottom Layer w0.7: v2(93.4,28.825) C5.2@94.7,28.825
NetC6_2: C6.2 C7.2 L2.1 L4.1 R2.2 U1.5 | length 35.6
  Top Layer w0.35: L4.1@83.075,20.45 83.075,21.375 83.7,22 84.651,22 87.076,24.425 89.614,24.425 89.689,24.35 90.311,24.35 90.75,24.789 90.75,24.811 92.839,26.9 v1(99.2,26.9)
  Top Layer w0.5: L2.1@97.105,34.83 97.855,34.08 97.855,33.3 99.935,33.3 R2.2@100.28,32.955 100.28,34.67 v1(100.275,34.675)
  Signal Layer 2 w0.35: v1(99.2,26.9) 99.2,33.6 v1(100.275,34.675)
  Bottom Layer w0.5: C6.2@98.4,34.3 100.25,34.3 100.275,34.275
NetC9_2: C9.2 C10.2 L2.2 R3.1 U2.1 U2.2 | length 9.4
  Top Layer w0.25: 90.475,12.75 90.775,12.75 90.88,12.855 U2.2@90.88,13.63
  Top Layer w0.35: v2(87,12.275) 89.8,12.275 ; R3.1@89.8,11.1 89.8,12.275 ; 90.38,12.855 89.8,12.275
  Bottom Layer w0.5: v2(87,12.275) 87,12.1 86.955,12.145 C10.2@86.955,13.28 C9.2@88.98,13.28
NetC11_2: C11.2 C12.2 R1.1 U2.7 | length 10.4
  Top Layer w0.25: R1.1@88.63,22.405 R1.1@88.785,22.25 ; U2.7@91.88,18.03 91.88,19.945 91.775,20.05 v1@91.975,20.25
  Top Layer w0.5: R1.1@88.785,22.25 88.909,22.126 v1(89.604,22.126)
  Bottom Layer w0.5: v1(89.604,22.126) 90.366,22.126 91.975,20.517 v1(91.975,20.25) 93.075,19.15 C12.2@93.075,19.05 C11.2@95.075,19.05
NetC13_1: C13.1 C14.1 R7.6 R7.7 U4.10 | length 13.3
  Top Layer w0.3: v1(75.975,14.45) 76.7,13.725 78.05,13.725 78.89,14.565 78.89,16.59 U4.10@79.18,16.88
  Top Layer w0.4: 75.975,15.15 76.07,15.055 76.58,15.055 R7.7@76.58,15.93
  Top Layer w0.5: v1(75.975,14.45) 75.975,15.15
  Bottom Layer w0.5: C13.1@74.175,15.55 74.175,15.35 75.075,14.45 v1(75.975,14.45) 77.175,15.65 C14.1@78.175,15.65
NetC18_2: C18.2 U13.71 | length 3.7
  Top Layer w0.3: v2(40.227,35.602) 40.75,35.079 U13.71@40.75,33.77
  Bottom Layer w0.5: v2(40.227,35.602) 40.725,35.104 C18.2@40.725,34.175
NetC19_2: C19.2 U13.106 | length 3.1
  Top Layer w0.3: v2(36.225,15.125) 36.775,15.125 36.9,15.25 U13.106@38.23,15.25
  Bottom Layer w0.5: v2(36.225,15.125) 36.25,15.1 C19.2@37.275,15.1
NetC21_2: C21.2 C22.2 L4.2 R9.1 U4.1 U4.2 | length 14.5
  Top Layer w0.35: R9.1@78.5,9.6 78.5,10.975 v1(78.575,11.05) ; 79.18,11.655 79.53,11.655 79.555,11.68 79.555,11.727 U4.2@79.601,11.774
  Top Layer w0.4: v1(78.575,11.05) 79.18,11.655
  Top Layer w0.5: v1(83.075,16.95) L4.2@83.075,18.45
  Signal Layer 2 w0.5: v1(78.575,11.05) 80.875,11.05 83.075,13.25 v1(83.075,16.95)
  Bottom Layer w0.5: v1(78.575,11.05) C21.2@79.675,11.05
NetC23_2: C23.2 C24.2 R7.1 U4.7 | length 16.6
  Top Layer w0.25: 80.675,18.05 80.675,16.885 U4.7@80.68,16.88
  Top Layer w0.4: R7.1@77.23,20.33 79.195,20.33 80.675,18.85 80.675,18.05
  Top Layer w0.5: 80.675,18.85 80.721,18.85 81.975,17.596 v1(81.975,16.95)
  Bottom Layer w0.5: v1(81.975,16.95) 81.975,15.75 ; C23.2@82.575,14.45 81.975,15.05 81.975,15.75 ; C24.2@83.03,19.98 82.28,19.23 82.144,19.23 81.475,18.561 81.475,18.25 81.275,18.05 81.275,16.45 81.975,15.75
NetC27_2: C27.2 C28.2 L5.2 U5.1 U5.3 | length 8.8
  Top Layer w0.5: L5.2@76.605,26.43 78.58,26.43 U5.1@78.755,26.605 78.755,27.48 78.955,27.68 80.191,27.68 80.221,27.65 80.425,27.65 80.655,27.42 U5.3@80.655,26.605
  Bottom Layer w0.5: v1(77.725,26.65) 78.855,27.78 C28.2@78.855,28.955
NetC29_2: C29.2 C30.2 L6.1 R12.2 U5.5 | length 13.9
  Top Layer w0.5: v1@78.755,30.25 78.755,31.38 R12.2@78.83,31.455 78.83,33.502 L6.1@78.78,33.552 78.78,35.495 78.625,35.65 C30.2@78.83,35.65 C30.2@78.85,35.67
  Signal Layer 2 w0.5: v1@78.725,30.35 v1(78.725,30.25) 78.725,27.85 v1(81.825,24.75)
  Bottom Layer w0.5: C29.2@80.58,24.78 81.795,24.78 v1(81.825,24.75)
NetC32_2: C32.2 C33.2 L7.2 U7.1 U7.3 | length 10.3
  Top Layer w0.5: L7.2@84.85,27.4 85.78,27.4 v1(87.08,28.7) ; U7.1@86.905,29.405 U7.1@87.08,29.58 v1(87.08,28.7) ; U7.3@88.98,29.58 88.98,28.33 88.7,28.05 87.2,28.05 87.08,28.17 v1(87.08,28.7)
  Bottom Layer w0.5: C33.2@86.805,29.93 86.925,29.81 v1@86.925,28.545 ; C32.2@86.925,27.625 v1@86.925,28.545 ; v1(87.08,28.7) v1@86.925,28.545
NetC34_2: C34.2 C35.2 L8.1 R19.2 U7.5 | length 9.6
  Top Layer w0.5: v1(87.95,31.85) 87.51,31.85 U7.5@87.08,32.28 87.08,32.705 87.825,33.45 89,33.45 89.105,33.555 ; L8.1@89.105,34.805 89.105,33.555 ; R19.2@91.225,34.025 90.375,34.025 89.905,33.555 89.105,33.555
  Bottom Layer w0.5: C35.2@86.855,31.855 87.955,31.855 88.03,31.93 C34.2@88.98,31.93
NetC36_1: C36.1 J3.1 U6.10 | length 12.6
  Top Layer w0.35: C36.1@86.025,54.15 86.025,54.325 86.025,54.525 87.25,55.75 88.711,55.75 89.75,56.789 89.75,61 89.395,61.355 U6.10@88.28,61.355
  Top Layer w0.45: J3.1@84.625,54.225 84.725,54.325 86.025,54.325 C36.1@86.35,54.325
NetC36_2: C36.2 J2.1 U6.9 | length 11.5
  Top Layer w0.35: U6.9@88.28,62.005 89.57,62.005 90.45,61.125 90.45,55.1 J2.1@89.575,54.225
  Top Layer w0.45: C36.2@87.95,54.325 89.475,54.325 J2.1@89.575,54.225
NetC39_2: C39.2 L9.1 U10.7 | length 6
  Top Layer w0.35: U10.7@80.08,42.63 80.08,44.78 v1(80.1,44.8)
  Bottom Layer w0.35: v1@79.95,44.65 v1(80.1,44.8)
  Bottom Layer w0.5: v1@79.95,44.65 79.95,43.9 79.95,41.76 C39.2@80.48,41.23
NetC41_2: C41.2 C42.2 L11.1 U8.7 | length 8.3
  Top Layer w0.35: L11.1@91.95,40.85 92.025,40.925 v1(94.05,40.925) ; v1@94.162,40.812 94.78,41.43 U8.7@94.78,42.33
  Bottom Layer w0.5: v1(94.05,40.925) 94.285,40.925 94.692,41.332 94.76,41.332 95.28,41.852 C41.2@95.28,42.48 95.28,44.48 C42.2@95.155,44.605
NetC43_2: C43.2 U8.6 | length 3.8
  Top Layer w0.4: v1(94.55,40) 94.65,40 95.455,40.805 95.455,42.305 U8.6@95.43,42.33
  Bottom Layer w0.5: v1(94.55,40) 95.296,40 C43.2@95.478,40.182
NetC44_2: C44.2 L10.2 U8.1 U8.2 | length 23.4
  Top Layer w0.35: 94.45,37 94.75,37 94.78,37.03 U8.2@94.78,37.93
  Top Layer w0.5: L10.2@85.7,25.1 87.3,25.1 v1(87.8,25.6) ; v1(93.8,36.5) 94.3,37 ; U8.1@94.13,37.93 94.13,37.17 94.3,37 ; 94.45,37 94.3,37
  Signal Layer 2 w0.35: v1(87.8,25.6) 88.73,26.53 88.73,35.93 v1(89.2,36.4)
  Bottom Layer w0.35: v1(89.2,36.4) 90.755,37.955 C44.2@92.955,37.955 92.955,37.145 93.8,36.3 v1(93.8,36.5)
NetC46_2: C46.2 R33.2 R33.8 U10.3 | length 18.6
  Top Layer w0.35: U10.3@80.73,38.23 80.73,39.14 81.49,39.9 84.825,39.9 85.825,40.9 ; 87.025,42.1 R33.8@87.53,42.605 ; R33.2@88.15,38.235 R33.2@88.18,38.205
  Top Layer w0.45: 85.8,40.875 85.8,37.769 86.514,37.055 88.18,37.055 R33.2@88.18,38.205
  Top Layer w0.5: 83.25,39.993 v1(83.25,41.2) ; 85.8,40.875 85.825,40.9 87.025,42.1
  Bottom Layer w0.5: C46.2@83.25,40 v1(83.25,41.2)
NetC56_2: C56.2 J6.16 J6.17 R39.1 | length 54.4
  Top Layer w0.7: C56.2@100.75,18.925 105.675,18.925 J6.17@105.73,18.87 ; R39.1@104.9,56.9 104.95,56.85 104.95,55.3 105.73,54.52 J6.16@105.73,52.17
  Bottom Layer w2: J6.17@105.73,18.87 111.145,18.87 111.825,19.55 111.825,50.8 110.455,52.17 J6.16@105.73,52.17
NetC57_2: C57.2 J5.13 J5.14 R42.2 | length 29.1
  Top Layer w0.35: J5.14@92.6,87.918 J5.14@92.253,87.571 95.071,87.571 R42.2@95.2,87.7
  Top Layer w0.5: C57.2@71.95,91.7 74.2,91.7 v1(74.3,91.6) ; J5.13@76.043,87.575 J5.13@76.047,87.571
  Top Layer w0.7: J5.13@76.047,87.571 J5.13@76.047,87.778
  Signal Layer 2 w0.5: v1(74.3,91.6) 74.3,91.1 76.047,89.353 J5.13@76.047,87.571 77.671,87.571 80.2,90.1 86.8,90.1 89.329,87.571 J5.14@92.253,87.571
NetC60_2: C60.2 C61.2 C64.2 C65.2 C75.2 L12.1 L13.1 R45.1 U11.7 | length 75.1
  Top Layer w0.5: L13.1@58.2,60.425 58.225,60.45 C75.2@58.225,62.5
  Top Layer w0.7: R45.1@19.6,28.325 19.6,29.2
  Top Layer w0.9: U11.7@15.81,26.765 U11.7@17.63,26.765
  Top Layer w1: 15.55,27.15 15.55,27.5 ; U11.7@17.63,26.765 17.63,27.23 19.6,29.2
  Top Layer w2: 15.55,27.5 18.225,30.175 v3(18.225,31.775)
  Signal Layer 2 w2: v3(18.225,31.775) 22.2,31.775 v3(33.825,43.4)
  Bottom Layer w0.7: C61.2@15.15,25.675 15.545,26.07 15.545,26.625 16.15,27.23 16.15,27.8 16.125,27.825 ; C60.2@15.15,27.825 16.125,27.825 ; C65.2@17.2,27.875 17.15,27.825 16.125,27.825 ; v3(18.225,31.775) 16.125,29.675 16.125,27.825
  Bottom Layer w1: 57.225,58.55 57.25,58.55 v1(58.125,59.425)
  Bottom Layer w2: v3(33.825,43.4) 37.95,47.525 37.95,48.177 39.175,49.402 39.175,49.652 43.298,53.775 52,53.775 54.7,56.475 55.15,56.475 57.225,58.55
NetC64_1: C64.1 R45.2 R47.1 U11.6 | length 9
  Top Layer w0.5: C64.1@21.35,30.25 21.2,30.1 R45.2@21.2,28.325 21.2,25.545 21.25,25.495 21.77,25.495 R47.1@21.8,25.525
  Top Layer w0.9: U11.6@17.63,25.495 R47.1@21.25,25.495
NetC66_2: C66.2 U11.5 | length 3.7
  Top Layer w0.9: U11.5@17.63,24.225 v1(20.25,24.225)
  Bottom Layer w0.5: v1(20.25,24.225) C66.2@21.35,24.225
NetC80_2: C80.2 C84.2 C86.2 U17.9 | length 9.5
  Top Layer w0.25: v1(68.2,43.075) U17.9@68.2,44.82
  Bottom Layer w0.5: v1(68.2,43.075) 68.2,43.375 C86.2@70.25,43.375 71.75,43.375 72.975,44.6 C84.2@72.975,46.325 ; C80.2@68.2,43.575 C80.2@68.2,44.02
NetC81_2: C81.2 C83.2 U17.6 | length 3.5
  Top Layer w0.25: v3(66.195,45.055) U17.6@66.195,45.825
  Bottom Layer w0.5: C83.2@66.2,43.775 66.2,45.036 66.289,45.125 66.289,45.149 v3(66.195,45.055) 66.195,45.895 C81.2@66.475,46.175
NetC87_1: C87.1 U17.4 X1.1 | length 6.3
  Top Layer w0.25: v1@64.875,46.825 U17.4@66.195,46.825
  Top Layer w0.5: X1.1@61.25,48.4 63.05,48.4 64.561,46.889 v1(64.564,46.889)
  Bottom Layer w0.5: C87.1@63.625,46.7 64.375,46.7 v1(64.564,46.889)
NetC88_1: C88.1 U17.5 X1.2 | length 7.2
  Top Layer w0.25: v1@64.75,46.075 64.925,46.25 65.113,46.25 65.188,46.325 U17.5@66.195,46.325
  Top Layer w0.5: X1.2@61.25,43.6 62.25,43.6 v1@64.512,45.862
  Bottom Layer w0.5: C88.1@63.625,45.05 64.2,45.05 64.55,45.4 64.55,45.775 v1(64.575,45.8)
NetD1_1: D1.1 J8.2 K1.1 | length 8.4
  Top Layer w0.7: K1.1@49.35,43.2 49.875,43.2 51.675,45 53.4,45 D1.1@53.5,45.1 ; J8.2@53.5,48.46 D1.1@53.5,45.1 ; D1.1@53.55,45.05 D1.1@53.5,45.1
NetD2_1: D2.1 R58.1 U14.13 | length 11.6
  Top Layer w0.5: U14.13@53.48,72 53.48,73.22 55.138,74.878 58.237,74.878 58.308,74.95 58.625,74.95 D2.1@58.625,75.925 58.65,75.9 61,75.9 61.2,76.1 R58.1@61.2,77
NetD2_3: D2.3 R53.1 U14.4 | length 10.3
  Top Layer w0.5: R53.1@51,80.1 50.94,80.04 U14.4@50.94,77.4 50.94,76.385 52.096,75.229 54.499,75.229 55.195,75.925 D2.3@56.725,75.925
NetD2_4: D2.4 R57.1 U14.11 | length 7.9
  Top Layer w0.5: U14.11@50.94,72 50.95,71.99 v1(50.95,70.85) ; v1(55.777,73.103) 56.703,73.103 D2.4@56.725,73.125
  Bottom Layer w0.5: v1(50.95,70.85) 53.203,73.103 v1(55.777,73.103)
NetD2_6: D2.6 R52.1 U14.2 | length 9.5
  Top Layer w0.5: U14.2@53.48,77.4 53.45,77.43 53.45,78.676 v1(53.578,78.804) ; D2.6@58.625,73.125 58.625,74.075 58.625,74.1 v1(58.65,74.125)
  Signal Layer 2 w0.5: v1(53.578,78.804) 58.256,74.125 v1(58.65,74.125)
NetD3_1: D3.1 D4.1 U12.1 | length 25.3
  Top Layer w1: U12.1@20.24,69.5 21.3,70.56 21.3,75.05 28.79,82.54 D4.1@31.29,82.54 D3.1@37.46,82.54
NetD3_2: D3.2 U16.24 | length 31.2
  Top Layer w0.5: v2(64.25,75.25) 65.17,76.17 U16.24@65.17,76.805
  Bottom Layer w0.7: D3.2@37.46,77.46 37.46,77.29 38.69,76.06 43.12,76.06 44.939,77.879 61.621,77.879 v2(64.25,75.25)
NetD3_3: D3.3 D4.3 Q3.3 U12.5 | length 54.7
  Top Layer w1: D4.3@26.21,77.46 28.65,79.9 40.1,79.9 D3.3@42.54,77.46 42.54,73.116 45.74,69.917 45.74,69.84 Q3.3@47.77,67.81
  Bottom Layer w1: U12.5@5,69.5 9.375,73.875 22.625,73.875 D4.3@26.21,77.46
NetD3_4: D3.4 U16.18 | length 33.8
  Top Layer w0.5: v2(72.75,78.5) 72.79,78.46 U16.18@72.79,76.805
  Bottom Layer w0.7: D3.4@42.54,82.54 44.08,81 55.242,81 55.747,80.495 61.591,80.495 63.086,79 63.586,79 64.336,78.25 65.164,78.25 65.414,78.5 v2(72.75,78.5)
NetD4_2: D4.2 U16.15 | length 59.2
  Top Layer w0.5: U16.15@76.6,76.805 76.725,76.68 76.725,76.425 76.625,76.325 76.625,75.35
  Top Layer w0.7: v2(65.4,73.425) 74.7,73.425 76.625,75.35
  Bottom Layer w0.7: D4.2@26.21,82.54 26.21,80.56 31.61,75.16 51.925,75.16 53.744,76.979 59.696,76.979 63.25,73.425 v2(65.4,73.425)
NetD4_4: D4.4 U16.21
NetD6_2: D6.2 R79.2 | length 1.7
  Top Layer w0.5: D6.2@57.475,43.15 R79.2@57.475,44.825
NetD7_2: D7.2 R81.2 | length 4.3
  Top Layer w0.5: D7.2@41.15,3.425 42.675,3.425 43.3,2.8 R81.2@45.2,2.8
NetD8_2: D8.2 R82.2 | length 5
  Top Layer w0.5: D8.2@39.313,3.425 39.313,4.313 39.9,4.9 R82.2@43.2,4.9
NetD9_2: D9.2 R83.2 | length 21.4
  Top Layer w0.5: R83.2@30.6,20.425 33.175,20.425 v1(33.2,20.4) ; v1(35,8.3) 35,6.989 36.139,5.85 36.15,5.85 37.475,4.525 D9.2@37.475,3.425
  Signal Layer 2 w0.35: v1(33.2,20.4) 34.2,19.4 34.2,14.286 34.39,14.096 34.39,8.91 v1(35,8.3)
NetD10_2: D10.2 R96.2 | length 2.3
  Top Layer w0.5: D10.2@28.025,87.25 28.05,87.275 R96.2@28.05,89.5
NetJ1_1: J1.1 R6.1 R8.1 R30.1 | length 13.3
  Top Layer w0.35: R30.1@88,51.3 89,51.3 90.775,49.525 97.9,49.525 R8.1@97.9,49.275
  Top Layer w0.5: R8.1@97.9,49.275 98.55,48.625 R6.1@98.55,47.175
NetJ4_2: J4.2 R53.2 | length 7.9
  Top Layer w0.5: R53.2@52.8,80.1 58.4,80.1 59.46,81.16 J4.2@59.46,81.995
NetJ4_3: J4.3 R58.2 | length 3.5
  Top Layer w0.5: R58.2@61.2,78.8 61.2,80 62,80.8 J4.3@62,82
NetJ5_4: J5.4 U16.20 | length 20.1
  Top Layer w0.5: U16.20@70.25,76.805 70.25,80.75 72.75,83.25 76.651,83.25 76.788,83.387 77.387,83.387 79.5,85.5 v2(80,85.5)
  Bottom Layer w0.35: v2(80,85.5) 83,85.5 83.642,86.142 J5.4@83.642,86.682
NetJ5_5: J5.5 U16.19 | length 22.4
  Top Layer w0.4: 71.52,78.52 73.5,80.5 v2(74,80.5)
  Top Layer w0.5: U16.19@71.52,76.805 71.52,78.52
  Bottom Layer w0.2: 84.658,86.178 84.658,87.116
  Bottom Layer w0.35: 84.658,87.186 J5.5@84.658,88.46
  Bottom Layer w0.5: v2(74,80.5) 82.825,80.5 84.658,82.333 84.658,85.342 84.65,85.35 84.65,86.064 84.658,86.072
NetJ5_7: J5.7 U16.14 | length 19
  Top Layer w0.2: J5.7@86.66,88.43 J5.7@86.69,88.46 ; 86.686,86.139 86.686,87.475
  Top Layer w0.4: J5.7@86.66,88.43 86.66,87.501 86.686,87.475 ; 86.686,85.539 86.686,86.139
  Top Layer w0.5: U16.14@77.87,76.805 77.87,77.87 78.5,78.5 84.75,78.5 86.75,80.5 86.686,80.564 86.686,85.539
NetJ5_8: J5.8 U16.13 | length 16.3
  Top Layer w0.5: U16.13@79.14,76.805 84.055,76.805 87.525,80.275 87.525,86.501 J5.8@87.706,86.682
NetJ5_9: J5.9 U17.3 | length 51.7
  Top Layer w0.25: 65.259,47.325 U17.3@66.195,47.325
  Top Layer w0.35: 61.25,50.75 61.37,50.63 61.883,50.63 65.188,47.325 65.259,47.325
  Top Layer w0.5: 61.25,50.75 61,51 61,58.808 61.025,58.833 61.025,59.414 61.125,59.514 61.125,73.677 62.65,75.202 62.65,79.15 v2(63.5,80) ; v2(74,82.25) 77.457,82.25 J5.9@77.47,82.237
  Bottom Layer w0.35: v2(63.5,80) 63.575,80.075 71.825,80.075 v2(74,82.25)
NetJ5_10: J5.10 R40.2 | length 13.4
  Top Layer w0.35: R40.2@70.487,87.775 70.487,86.013 70.75,85.75 v2(73.25,85.75)
  Top Layer w0.5: v2(79.55,83.5) 79.55,82.24 J5.10@79.553,82.237
  Bottom Layer w0.35: v2(73.25,85.75) 77.75,85.75 79.55,83.95 v2(79.55,83.5)
NetJ5_11: J5.11 R69.1 U17.2 | length 102.9
  Top Layer w0.25: 61.965,51.255 65.395,47.825 U17.2@66.195,47.825
  Top Layer w0.35: R69.1@68.75,87.775 68.75,86.75 v1(68.8,86.7) ; v1(90.8,84) 90.8,82.267 J5.11@90.83,82.237
  Top Layer w0.5: 61.965,51.255 61.84,51.38 61.84,73.09 63.35,74.6 63.35,77.85 v2(64.75,79.25) ; J5.11@90.83,82.237 90.867,82.2 92.7,82.2 92.65,82.15 v1(92.65,79.3)
  Bottom Layer w0.35: v2(64.75,79.25) 64.825,79.325 92.625,79.325 v1(92.65,79.3)
  Bottom Layer w0.355: v1(68.8,86.7) 72.7,86.7 75.3,89.3 75.3,92.1 76.4,93.2 85.2,93.2 90,88.4 90,84.6 90.6,84 v1(90.8,84)
NetJ5_12: J5.12 R41.2 | length 30
  Top Layer w0.35: R41.2@72.225,87.775 73.225,87.775 73.3,87.7 75.4,89.8 75.4,92.2 76.4,93.2 85.2,93.2 89.7,88.7 89.7,84.9 88.7,83.9 88.7,82.284 J5.12@88.747,82.237
NetJ6_1: J6.1 R6.2 R8.2 R29.1 | length 8.5
  Top Layer w0.5: R8.2@100.8,49.275 100.35,48.825 R6.2@100.35,47.175 R29.1@100.35,45.075 100.385,45.11 J6.1@104.46,45.11
NetJ7_3: J7.3 J7.4 J9.1 Q1.3 R48.1 | length 36.8
  Top Layer w0.5: R48.1@35.425,61.15 J9.1@37.82,61.15
  Top Layer w0.7: J9.1@37.82,61.15 37.85,61.12 J9.1@37.89,61.08
  Top Layer w0.9: Q1.3@37.85,58.875 J9.1@37.85,61.12
  Signal Layer 2 w2: J9.1@37.89,61.08 37.89,73.665 39.9,75.675 39.9,84.625 41.15,85.875 41.15,88.15 J7.3@41.25,88.25
  Bottom Layer w2: J7.3@41.25,88.25 J7.4@44.75,88.25
NetJ10_1: J10.1 U17.15 | length 11.4
  Top Layer w0.25: U17.15@70.705,46.825 70.705,46.79 71.676,46.79 72.139,46.327 73.8,46.327
  Top Layer w0.35: J10.1@72.125,51.025 72.125,50.075 v1(72.7,49.5) ; v1(73.8,45.1) 73.8,46.327
  Signal Layer 2 w0.35: v1(72.7,49.5) 73.678,48.522 73.678,45.122 73.8,45 v1(73.8,45.1)
NetJ12_2: J12.2 R74.2 | length 3.1
  Top Layer w0.5: J12.2@30.525,12.95 R74.2@30.525,16.025
NetJ12_3: J12.3 R75.2 | length 11
  Top Layer w0.5: J12.3@27.985,12.945 27.985,11.94 30.5,9.425 R75.2@36.925,9.425
NetJ12_4: J12.4 R76.2 | length 22.3
  Top Layer w0.3: v2(42.2,6.95) v2@42.25,7
  Top Layer w0.5: v2@42.25,7 43.7,7 R76.2@45.2,7
  Bottom Layer w0.5: J12.4@25.445,12.95 31.445,6.95 v2(42.2,6.95)
NetJ13_3: J13.3 R87.2 | length 15.9
  Top Layer w0.5: v2(30.1,43.4) 35.725,37.775 R87.2@36.625,37.775
  Bottom Layer w0.5: v2(30.1,43.4) 29.375,44.125 29.375,47.563 29.4,47.588 29.4,48.36 J13.3@30.625,49.585
NetJ13_4: J13.4 R89.2 | length 19.2
  Top Layer w0.5: J13.4@28.085,49.585 29.335,48.335 29.335,44.885 29.2,44.75 29.2,42.9 30.625,41.475 R89.2@30.625,31.575
NetJ13_5: J13.5 R91.2 | length 15.9
  Top Layer w0.5: v2(31.7,45.125) 31.7,43.001 34.901,39.8 R91.2@36.55,39.8
  Bottom Layer w0.5: J13.5@30.625,52.125 31.875,50.875 31.875,45.3 v2(31.7,45.125)
NetJ13_6: J13.6 R93.2 | length 22.1
  Top Layer w0.5: J13.6@28.085,52.125 27.45,52.125 26.835,51.51 26.835,34.84 28.383,33.292 R93.2@28.383,31.575
NetJ13_7: J13.7 R84.1 | length 16.9
  Top Layer w0.5: v2(32.776,46.302) 32.74,46.266 32.74,42.951 33.866,41.825 R84.1@36.6,41.825
  Bottom Layer w0.5: J13.7@30.625,54.665 32.776,52.514 v2(32.776,46.302)
NetJ13_8: J13.8 R85.1 | length 23.9
  Top Layer w0.5: R85.1@26.142,31.575 26.135,31.582 26.135,52.715 J13.8@28.085,54.665